# Altium PCB LimeSDR-X3_1v2.PcbDoc (part 6 of 25) (continued)
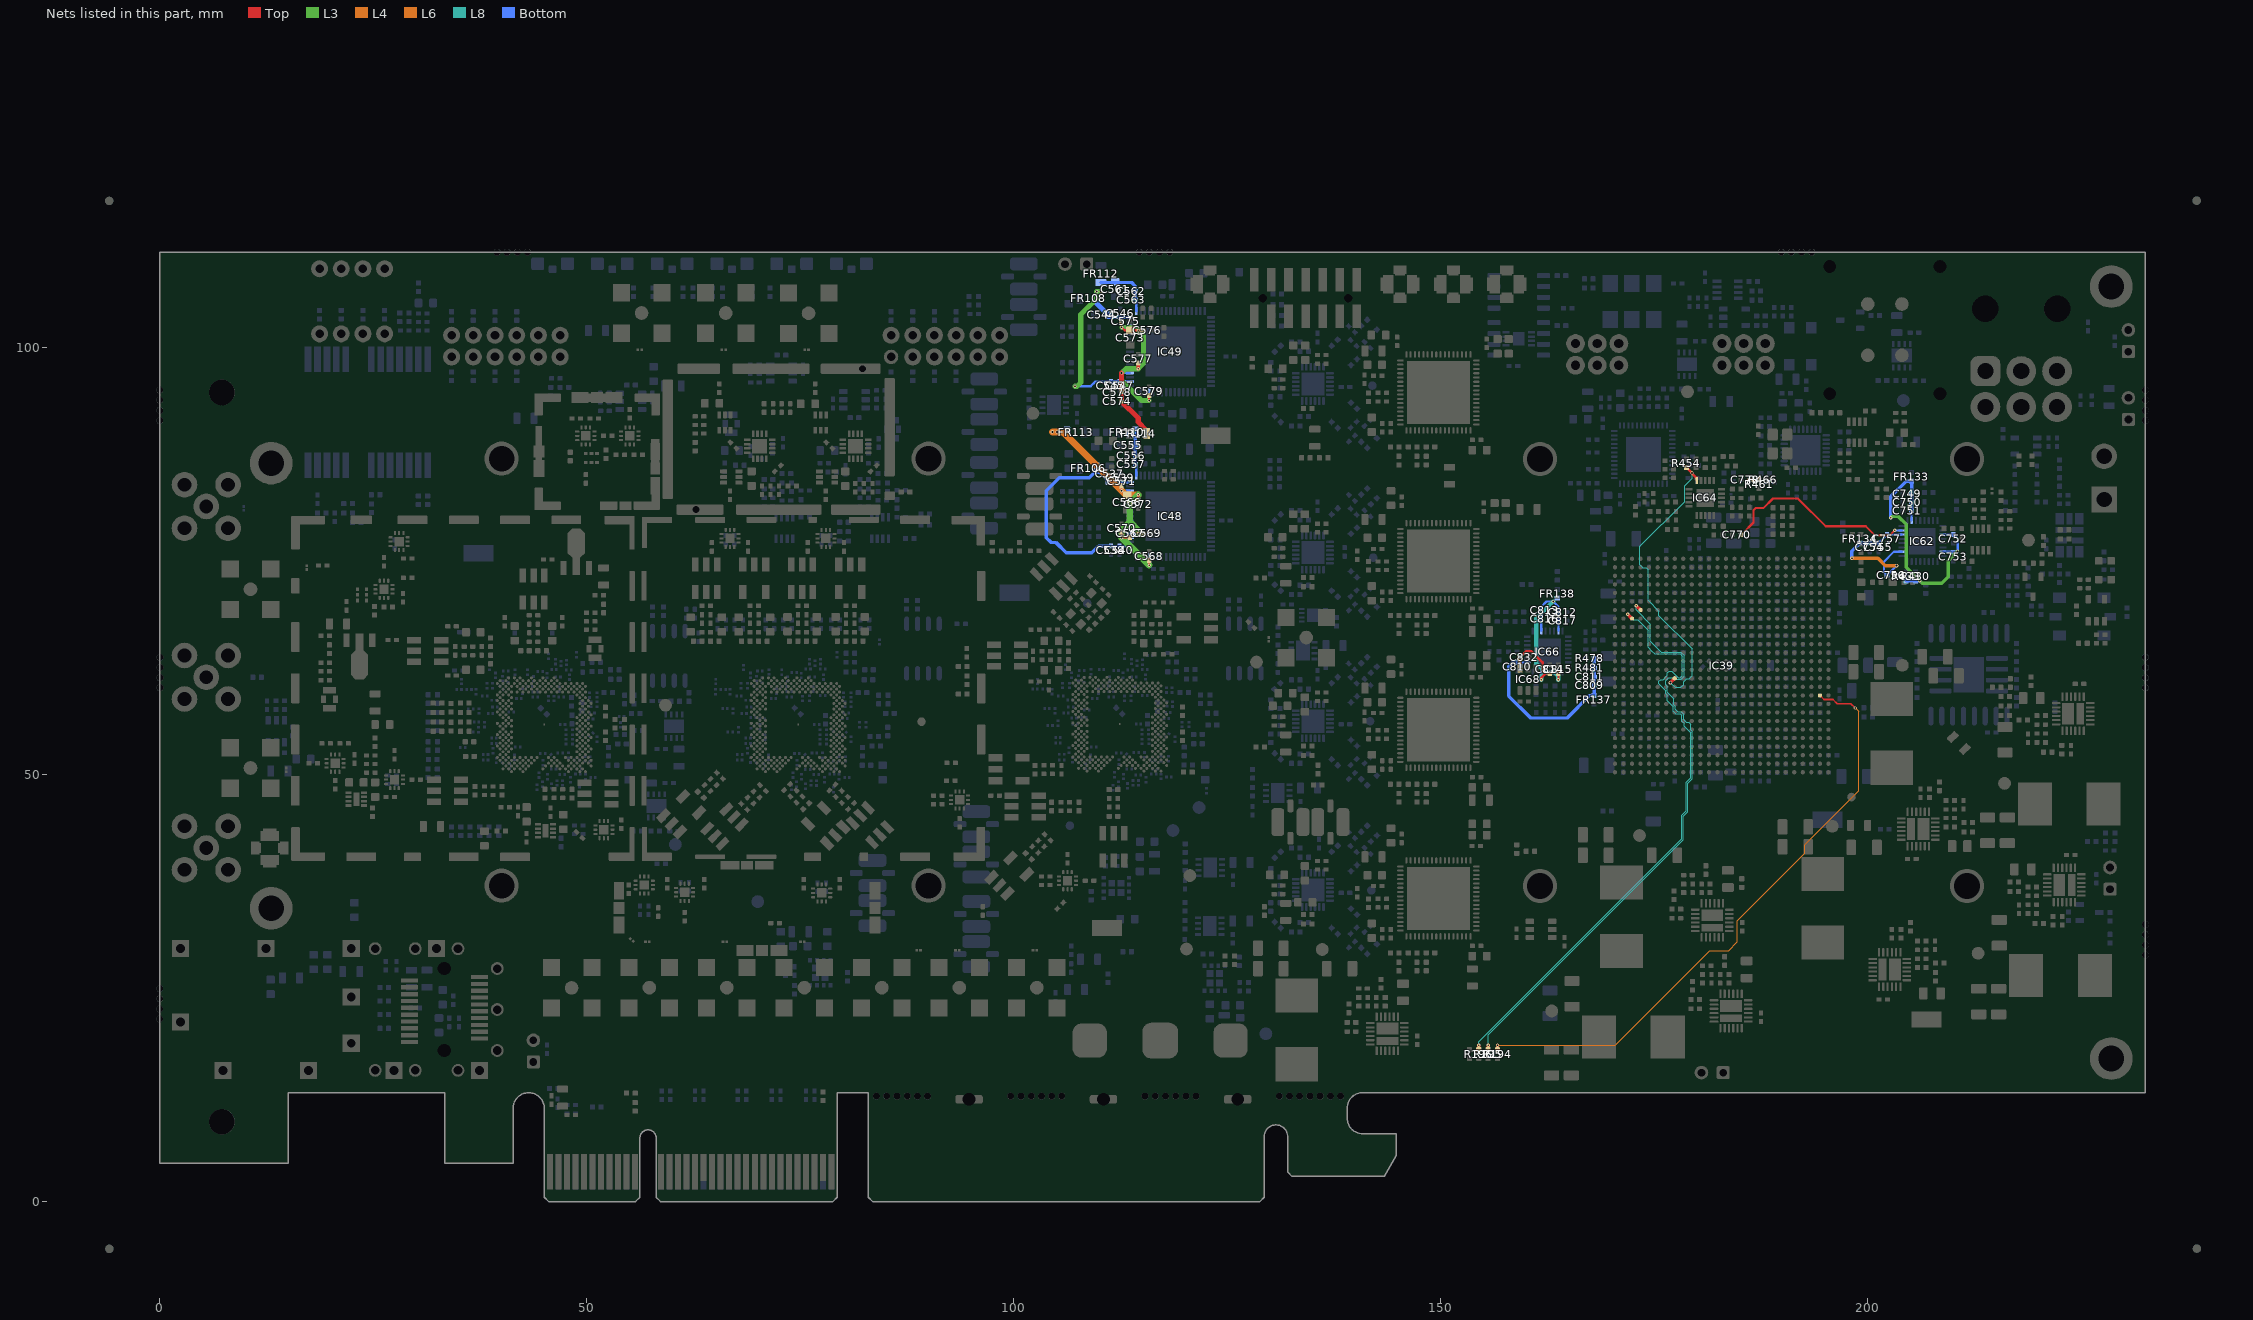
[diagram p16: the nets of this part, all layers, seen from the top]
## Part data (continued)
L6 L8: library part Inductor, DC Resistance (DCR)="170 mOhm Max", Manufacturer="Pulse Electronics Network", Manufacturer Part Number 1=PE-0603CD180KTT, Operating Temperature="-40°C ~ 125°C", Package / Case="0603 (1608 Metric)", Q @ Freq="35 @ 180MHz", Ratings=-, Supplier Part Number 1=1840-1105-1-ND, Tolerance=±10%, Category="Inductors, Coils, Chokes", ComponentLink1Description=http://productfinder.pulseeng.com/products/datasheets/WC701.pdf, ComponentLink1URL=http://productfinder.pulseeng.com/products/datasheets/WC701.pdf, Height - Seated (Max)="0.040\" (1.02mm)", Material - Core=Ceramic, Mounting Type="Surface Mount", Packaging="Cut Tape (CT)", Part Description="18nH Unshielded Wirewound Inductor 700mA 170 mOhm Max 0603 (1608 Metric)", Part Status=Active, Pricing 1="1=0.41, 10=0.368, 100=0.253, 500=0.2162, 1000=0.1656 (USD)", RoHS="RoHS Compliant", Shielding=Unshielded, Size / Dimension="0.071\" L x 0.049\" W (1.80mm x 1.24mm)", Stock 1=14000, Supplier 1=Digi-Key, Supplier Device Package="0603 (1608 Metric)", Type=Wirewound
L9: library part Inductor_0603, DC Current Rating=420, DC Resistance Max=0.58, High Frequency Inductor Case="0402 [1005 Metric]", Inductance=47, Inductance Tolerance="± 5%", Inductor Construction=Wirewound, Manufacturer=COILCRAFT, Manufacturer Part Number=0402HP-47NXJLU, Self Resonant Frequency Min=2.4, Supplier Part Number 1=2285856, Inductor Case Style="0402 [1005 Metric]", Manufacturer Part Number 1=0402HP-47NXJLU, Packaging="Cut Tape", Part Description="INDUCTOR, RF, 47NH, 5%, 2.4GHZ, SMD; Product Range:0402HP Series; Inductance:47nH; Inductance Tolerance:± 5%; High Frequency Inductor Case:0402 [1005 Metric]; Self Resonant Frequency Min:2.4GHz; DC Resistance Max:0.58ohm; DC Current Rating:420mA", Product Range=0402, RoHS=Y-EX, Supplier 1=Farnell, SVHC="No SVHC (15-Jun-2015)"
L10 L11 L12: library part Inductor_0603, Current - Saturation=24A, Current Rating=18A, DC Resistance (DCR)="5.78 mOhm Max", Frequency - Self Resonant=42MHz, Frequency - Test=100kHz, Manufacturer="Vishay Dale", Manufacturer Part Number 1=IHLP3232DZER1R0M01, Operating Temperature="-55°C ~ 125°C", Package / Case=Nonstandard, Q @ Freq=-, Supplier Part Number 1=541-1371-6-ND, Tolerance=±20%, Category="Inductors, Coils, Chokes", Height - Seated (Max)="0.158\" (4.00mm)", Inductance=1µH, Material - Core=-, Mounting Type="Surface Mount", Packaging=Digi-Reel®, Part Description="1µH Shielded Molded Inductor 18A 5.78 mOhm Max Nonstandard", RoHS="RoHS Compliant", Shielding=Shielded, Size / Dimension="0.340\" L x 0.322\" W (8.64mm x 8.18mm)", Supplier 1=Digi-Key, Supplier Device Package=-, Type=Molded
L13: library part Inductor_0603, Current - Saturation=27.5A, Current Rating=15A, DC Resistance (DCR)="5.8 mOhm Max", Frequency - Self Resonant=-, Frequency - Test=100kHz, Inductance=1.5µH, Manufacturer="Vishay Dale", Manufacturer Part Number 1=IHLP4040DZER1R5M01, Operating Temperature="-55°C ~ 125°C", Package / Case=Nonstandard, Supplier Part Number 1=541-1301-6-ND, Tolerance=±20%, Category="Inductors, Coils, Chokes", Height - Seated (Max)="0.158\" (4.00mm)", Material - Core=-, Mounting Type="Surface Mount", Packaging=Digi-Reel®, Part Description="FIXED IND 1.5UH 15A 5.8 MOHM SMD", Q @ Freq=-, RoHS="RoHS Compliant", Shielding=Shielded, Size / Dimension="0.430\" L x 0.405\" W (10.92mm x 10.30mm)", Supplier 1=Digi-Key, Supplier Device Package=-, Type=Molded
L14 L15: library part Inductor_0603, Current - Saturation=25.6A, Current Rating=12A, DC Resistance (DCR)="9 mOhm Max", Frequency - Self Resonant=-, Frequency - Test=100kHz, Manufacturer="Vishay Dale", Manufacturer Part Number 1=IHLP4040DZER2R2M01, Operating Temperature="-55°C ~ 125°C", Package / Case=Nonstandard, Supplier Part Number 1=541-1299-1-ND, Tolerance=±20%, Category="Inductors, Coils, Chokes", Height - Seated (Max)="0.158\" (4.00mm)", Inductance=2.2µH, Material - Core=-, Mounting Type="Surface Mount", Packaging="Cut Tape (CT)", Part Description="2.2µH Shielded Molded Inductor 12A 9 mOhm Max Nonstandard", Q @ Freq=-, RoHS="RoHS Compliant", Shielding=Shielded, Size / Dimension="0.430\" L x 0.405\" W (10.92mm x 10.30mm)", Supplier 1=Digi-Key, Supplier Device Package=-, Type=Molded
L16: library part Inductor_0603, Current - Saturation=18.6A, Current Rating=10A, DC Resistance (DCR)="14.4 mOhm Max", Frequency - Self Resonant=-, Frequency - Test=100kHz, Manufacturer="Vishay Dale", Manufacturer Part Number 1=IHLP4040DZER3R3M01, Operating Temperature="-55°C ~ 125°C", Package / Case=Nonstandard, Supplier Part Number 1=541-1298-1-ND, Tolerance=±20%, Category="Inductors, Coils, Chokes", Height - Seated (Max)="0.158\" (4.00mm)", Inductance=3.3µH, Material - Core=-, Mounting Type="Surface Mount", Packaging="Cut Tape (CT)", Part Description="3.3µH Shielded Molded Inductor 10A 14.4 mOhm Max Nonstandard", Q @ Freq=-, RoHS="RoHS Compliant", Shielding=Shielded, Size / Dimension="0.430\" L x 0.405\" W (10.92mm x 10.30mm)", Supplier 1=Digi-Key, Supplier Device Package=-, Type=Molded
LED1 LED2 LED3 LED4 LED5 LED6: library part LED_green_red_right_angle_v2, Case/Package=SMD/SMT, Color=Green,Red, Forward Current=25mA, Forward Voltage=1.7V, Lens Color=White, Manufacturer="Stanley Electric", Manufacturer Part Number 1=BRPY1211FTR, Max Operating Temperature=85°C, Min Operating Temperature=-40°C, Package Quantity=3000, Power Dissipation=70mW, Reverse Breakdown Voltage=4V, Supplier Part Number 1=BRPY1211F-TR, Test Current=20mA, ComponentLink1Description=https://datasheet.ciiva.com/2114/1211f-e-2114386.pdf?src-supplier=Digi-Key, ComponentLink1URL=https://datasheet.ciiva.com/2114/1211f-e-2114386.pdf?src-supplier=Digi-Key, Depth=2mm, Dominant Wavelength=647nm, Height=1.15mm, Lead Free="Lead Free", Length=3mm, Lens Style=Colorless, Lens Transparency=Diffused, Luminous Intensity=17.6mcd, Mount="Surface Mount", Number of Elements=2, Number of Pins=3, Packaging="Tape and Reel", Part Description="Green, Red 572nm Green, 647nm Red LED Indication - Discrete 2.1V Green, 1.7V Red 2-SMD, No Lead", Radiation Hardening=No, Reverse Voltage=4V, RoHS=Yes, Stock 1=0, Supplier 1="Arrow Electronics", Viewing Angle=143°, Wavelength=570nm, Width=2mm
MECH15 MECH16 MECH17 MECH18: library part "STANDOFF_M-F_THREADED_M3x8x10mm_HEX_5mm dia", "STANDOFF M/F MET 5MM HEX 10MM L", Colour=natural, Manufacturer=FIX&FASTEN, Manufacturer Part Number 1=FIX-MAE-5TV, Assembly Info=NF, Category="Plastic Pegs", Internal thread=M3, Material=polyamide, MinAmount=10, Multiples=10, Panel cutout diameter=3mm, Part Description="PCB distance; polyamide; L:5mm; Colour: natural; Øcutout:3mm", Price Type=NET, Spacer length=5mm, Spanner size=5.5mm, SuppliedAmount=1000, Supplier 1=TME, Supplier Part Number 1=FIX-MAE-5TV, Thread pitch=0,5, Type of spacer="PCB distance", Unit=pcs, Weight=0.145
MECH19: library part SFPx1_Chassis, Manufacturer="TE Connectivity AMP", Supplier Part Number 1=A120616-ND, ComponentLink1Description=https://datasheet.ciiva.com/45236/eng-cd-2227302-1-45236428.pdf?src-supplier=Avnet, ComponentLink1URL=https://datasheet.ciiva.com/45236/eng-cd-2227302-1-45236428.pdf?src-supplier=Avnet, Data Rate=4Gbps, ELV=Compliant, Length=14.5mm, Manufacturer Part Number 1=2227302-1, Mount="Through Hole", Number of Ports=1, Packaging=Tray, Part Description="- Position SFP Cage Connector Press-Fit Through Hole, Right Angle", PCB Thickness=0.059inch, Pricing 1="1=1,43000, 10=1,26100, 25=1,18720, 40=1,13750, 192=1,08813, 384=0,98922, 576=0,89030, 960=0,79138, 2496=0,71718 (USD)", RoHS=Yes, RoHS Compliant=Yes, Stock 1=16113, Supplier 1=Digi-Key, Tail Length=3mm, Termination=Press-Fit
MECH30 MECH32: library part PIC-S-208F_RF_SHIELD_FRAME, Manufacturer="3G Shielding Specialties LP", Supplier Part Number 1=2276-PIC-S-208FTR-ND, Manufacturer Part Number 1=PIC-S-208F, Part Description="RF Shield Frame 1.559\" (39.60mm) X 1.559\" (39.60mm) Solder", Supplier 1=Digi-Key
MECH31 MECH33: library part PIC-S-208C_RF_SHIELD_COVER, Manufacturer="3G Shielding Specialties LP", Supplier Part Number 1=2276-PIC-S-208C-ND, Manufacturer Part Number 1=PIC-S-208C, Part Description="RF Shield Cover 1.559\" (39.60mm) X 1.559\" (39.60mm) Vent Holes in Pattern Snap Fit", Supplier 1=Digi-Key
MECH34 MECH39 MECH40 MECH41 MECH42 MECH43 MECH44 MECH45: library part RFI_SHIELD_CLIP, Manufacturer=HARWIN, Manufacturer Part Number 1=S0971-46R, Supplier Part Number 1=2361677, Clip Diameter=-, Clip Type="RFI Shield Clip", Length=5.8, Mounting Hole Dia=-, Part Description="RFI SHIELD CLIP MINI TIN SMD", Product Range=-, RoHS=YES, Supplier=Farnell, Supplier 1=Farnell, SVHC="No SVHC (15-Jun-2015)"
MECH35: library part BMI-S-101_RF_SHIELD, Manufacturer=Laird, Supplier Part Number 1=903-1006-1-ND, ComponentLink1Description=http://assets.lairdtech.com/home/brandworld/files/EMI-CAT-Essentials%201213.pdf?src-supplier=Digikey, ComponentLink1URL=http://assets.lairdtech.com/home/brandworld/files/EMI-CAT-Essentials%201213.pdf?src-supplier=Digikey, ComponentLink2Description=http://assets.lairdtech.com/home/brandworld/files/Board%20Level%20Shields%20Catalog%20Download.pdf?src-supplier=Digikey, ComponentLink2URL=http://assets.lairdtech.com/home/brandworld/files/Board%20Level%20Shields%20Catalog%20Download.pdf?src-supplier=Digikey, ComponentLink3Description=https://datasheet.octopart.com/BMI-S-101-Laird-datasheet-150754577.pdf?src-supplier=Sager+Electronics, ComponentLink3URL=https://datasheet.octopart.com/BMI-S-101-Laird-datasheet-150754577.pdf?src-supplier=Sager+Electronics, Manufacturer Part Number 1=BMI-S-101, Part Description="RF Shield Shield, 1-Piece 0.512\" (13.00mm) X 0.538\" (13.66mm) Vent Holes in Pattern Surface Mount", Pricing 1="1=2,45, 10=1,535, 25=1,2968, 100=1,0281, 250=0,89596, 500=0,8147 (USD)", RoHS=Yes, Stock 1=1005, Supplier 1=Digikey
MECH36: library part MS263-10F_RF_SHIELD_FRAME, Manufacturer="Masach Tech", Supplier Part Number 1=2333-MS263-10F-ND, ComponentLink1Description=https://www.masach.com/downloadable/download/sample/sample_id/1476/?src-supplier=Digikey, ComponentLink1URL=https://www.masach.com/downloadable/download/sample/sample_id/1476/?src-supplier=Digikey, Manufacturer Part Number 1=MS263-10F, Part Description="RF Shield Cover 0.685\" (17.40mm) X 1.059\" (26.90mm) Vent Holes in Pattern Snap Fit", Pricing 1="1=2,17, 10=1,356, 64=0,96984, 128=0,86656, 256=0,78012, 448=0,72065, 960=0,6522, 2432=0,58491, 4928=0,55 (USD)", RoHS=No, Stock 1=1221, Supplier 1=Digikey
MECH37: library part MS263-10CP_RF_SHIELD_COVER, Manufacturer="Masach Tech", Supplier Part Number 1=2333-MS263-10CP-ND, ComponentLink1Description=https://www.masach.com/downloadable/download/sample/sample_id/1476/?src-supplier=Digikey, ComponentLink1URL=https://www.masach.com/downloadable/download/sample/sample_id/1476/?src-supplier=Digikey, Manufacturer Part Number 1=MS263-10CP, Mount=Solder, Part Description="RF Shield Cover 0.685\" (17.40mm) X 1.059\" (26.90mm) Vent Holes in Pattern Snap Fit", Pricing 1="1=1,85, 10=1,147, 64=0,81422, 128=0,72523, 256=0,65063, 448=0,59931, 960=0,54024, 2432=0,48217, 4928=0,44641 (USD)", RoHS=No, Series="Drawn-Seamless EMI/RFI Shield", Stock 1=374, Supplier 1=Digikey
MECH38: library part S03-30100300R_RF_SHIELD, Manufacturer=Harwin, Supplier Part Number 1=952-S03-30100300RCT-ND, Manufacturer Part Number 1=S03-30100300R, Mount="Surface Mount", Part Description="RF Shield CAN 0.394\" (10.00mm) X 1.181\" (30.00mm) Non-Vented Surface Mount", Pricing 1="1=2,15, 10=1,344, 25=1,1328, 100=0,8933, 250=0,77572 (USD)", RoHS=No, Series="EZ BoardWare", Stock 1=1392, Supplier 1=Digikey
MN1 MN2 MN3 MN4 MN49 MN50 MN51 MN52 MN73 MN74 MN75 MN76: library part Inductor_0603, Manufacturer="Panasonic Electronic Components", Manufacturer Part Number=ERJ-3GEY0R00V, Operating Temperature="-55°C ~ 155°C", Package / Case="0603 (1608 Metric)", Power (Watts)="0.1W, 1/10W", Supplier Device Package=0603, Supplier Part Number 1=P0.0GCT-ND, Temperature Coefficient=-, Tolerance=Jumper, Category=Resistors, ComponentLink1Description=http://industrial.panasonic.com/www-cgi/jvcr13pz.cgi?E+PZ+3+AOA0001+ERJ3GEY0R00V+7+WW, ComponentLink1URL=http://industrial.panasonic.com/www-cgi/jvcr13pz.cgi?E+PZ+3+AOA0001+ERJ3GEY0R00V+7+WW, Composition="Thick Film", Failure Rate=-, Features="Automotive AEC-Q200", Height - Seated (Max)="0.022\" (0.55mm)", Manufacturer Part Number 1=ERJ-3GEY0R00V, Packaging="Cut Tape (CT)", Part Description="0 Ohms Jumper 0.1W, 1/10W Chip Resistor 0603 (1608 Metric) Automotive AEC-Q200 Thick Film", Part Status=Active, Pricing 1="1=0.1, 10=0.04, 25=0.0292, 50=0.0222, 100=0.0164, 250=0.01252, 500=0.01002, 1000=0.00737 (USD)", RoHS="RoHS Compliant", Size / Dimension="0.063\" L x 0.032\" W (1.60mm x 0.80mm)", Stock 1=31663129, Supplier 1=Digi-Key
MN5 MN6 MN7 MN8 MN35 MN37: library part Inductor_0603, DC Current Rating=1.5, DC Resistance Max=0.065, High Frequency Inductor Case="0402 [1005 Metric]", Inductance=8.2, Inductance Tolerance="± 5%", Inductor Case Style="0402 [1005 Metric]<!--FANDB--><div class=\"features-and-benefits-container\"></div>", Inductor Construction=Wirewound, Manufacturer=COILCRAFT, Manufacturer Part Number 1=0402HP-8N2XJLU, Self Resonant Frequency Min=5.4, Supplier Part Number 1=2285826, Packaging="Cut Tape", Part Description="INDUCTOR, RF, 8.2NH, 5%, 5.4GHZ, SMD; Product Range:0402HP Series; Inductance:8.2nH; Inductance Tolerance:± 5%; High Frequency Inductor Case:0402 [1005 Metric]; Self Resonant Frequency Min:5.4GHz; DC Resistance Max:0.065ohm; DC Current Rating:1.5A", Product Range="COILCRAFT - 0402", RoHS=Y-EX, Supplier 1=Farnell, SVHC="No SVHC (16-Jun-2014)"
  MN35 MN37: Assembly Info=NF
MN9 MN10 MN15 MN16 MN108 MN110: library part Cap_0402, Capacitance=0.80pF, Manufacturer="Murata Electronics North America", Manufacturer Part Number=GRM1555C1HR80BA01D, Operating Temperature="-55°C ~ 125°C", Package / Case="0402 (1005 Metric)", Ratings=-, Supplier Part Number 1=490-6269-1-ND, Temperature Coefficient="C0G, NP0", Tolerance=±0.1pF, Voltage - Rated=50V, Applications="General Purpose", Category=Capacitors, Features=-, Height - Seated (Max)=-, Lead Spacing=-, Lead Style=-, Manufacturer Part Number 1=GRM1555C1HR80BA01D, Mounting Type="Surface Mount, MLCC", Packaging="Cut Tape (CT)", Part Description="0.80pF ±0.1pF 50V C0G, NP0 Ceramic Capacitor -55°C ~ 125°C Surface Mount, MLCC 0402 (1005 Metric) 0.039\" L x 0.020\" W (1.00mm x 0.50mm)", RoHS="RoHS Compliant", Size / Dimension="0.039\" L x 0.020\" W (1.00mm x 0.50mm)", Supplier 1=Digi-Key, Thickness (Max)="0.022\" (0.55mm)"
MN11 MN13 MN45 MN46: library part Cap_0402, Manufacturer="TDK Corporation", Manufacturer Part Number 1=C1005C0G1H010B050BA, Operating Temperature="-55°C ~ 125°C", Package / Case="0402 (1005 Metric)", Ratings=-, Supplier Part Number 1=445-4854-6-ND, Temperature Coefficient="C0G, NP0", Tolerance=±0.1pF, Voltage - Rated=50V, Applications="General Purpose", Capacitance=1pF, Category=Capacitors, Features=-, Height - Seated (Max)=-, Lead Spacing=-, Lead Style=-, Mounting Type="Surface Mount, MLCC", Packaging=Digi-Reel®, Part Description="1pF ±0.1pF 50V C0G, NP0 Ceramic Capacitor -55°C ~ 125°C Surface Mount, MLCC 0402 (1005 Metric) 0.039\" L x 0.020\" W (1.00mm x 0.50mm)", RoHS="RoHS Compliant", Size / Dimension="0.039\" L x 0.020\" W (1.00mm x 0.50mm)", Supplier 1=Digi-Key, Thickness (Max)="0.022\" (0.55mm)"
  MN11 MN13: Assembly Info=NF
MN12 MN14 MN27 MN29 MN43 MN44 MN60 MN62 MN84 MN85 MN94: library part Cap_0402, Capacitance=0.50pF, Manufacturer=Yageo, Manufacturer Part Number 1=CC0402CRNPO9BNR50, Operating Temperature="-55°C ~ 125°C", Package / Case="0402 (1005 Metric)", Ratings=-, Supplier Part Number 1=311-1001-1-ND, Temperature Coefficient="C0G, NP0", Tolerance=±0.25pF, Voltage - Rated=50V, Applications="General Purpose", Category=Capacitors, Features=-, Height - Seated (Max)=-, Lead Spacing=-, Lead Style=-, Mounting Type="Surface Mount, MLCC", Packaging="Cut Tape (CT)", Part Description="0.50pF ±0.25pF 50V C0G, NP0 Ceramic Capacitor -55°C ~ 125°C Surface Mount, MLCC 0402 (1005 Metric) 0.039\" L x 0.020\" W (1.00mm x 0.50mm)", RoHS="RoHS Compliant", Size / Dimension="0.039\" L x 0.020\" W (1.00mm x 0.50mm)", Supplier 1=Digi-Key, Thickness (Max)="0.022\" (0.55mm)"
  MN27 MN29 MN43 MN44 MN94: Assembly Info=NF
MN17 MN18 MN19 MN20 MN89 MN90: library part Inductor_0603, DC Resistance (DCR)="5.5 Ohm", Manufacturer="TDK Corporation", Manufacturer Part Number=GLFR1608T101M-LR, Operating Temperature="-40°C ~ 105°C", Package / Case="0603 (1608 Metric)", Q @ Freq=-, Supplier Part Number 1=445-6150-6-ND, Tolerance=±20%, Category="Inductors, Coils, Chokes", ComponentLink1Description=https://media.digikey.com/pdf/Data%20Sheets/TDK%20PDFs/GLFR%20Series.pdf, ComponentLink1URL=https://media.digikey.com/pdf/Data%20Sheets/TDK%20PDFs/GLFR%20Series.pdf, Height - Seated (Max)="0.039\" (1.00mm)", Manufacturer Part Number 1=GLFR1608T101M-LR, Material - Core=-, Mounting Type="Surface Mount", Packaging=Digi-Reel®, Part Description="100µH Shielded Wirewound Inductor 80mA 5.5 Ohm 0603 (1608 Metric)", Part Status=Active, Pricing 1="1=0.27, 10=0.244, 100=0.1676, 500=0.14324, 1000=0.10971 (USD)", Ratings=-, RoHS="RoHS Compliant", Shielding=Shielded, Size / Dimension="0.063\" L x 0.031\" W (1.60mm x 0.80mm)", Stock 1=127797, Supplier 1=Digi-Key, Supplier Device Package="0603 (1608 Metric)", Type=Wirewound
MN21 MN22 MN23 MN24 MN91 MN92: library part Inductor_0603, DC Current Rating=420, DC Resistance Max=0.58, High Frequency Inductor Case="0402 [1005 Metric]", Inductance=47, Inductance Tolerance="± 5%", Inductor Construction=Wirewound, Manufacturer=COILCRAFT, Manufacturer Part Number 1=0402HP-47NXJLU, Self Resonant Frequency Min=2.4, Supplier Part Number 1=2285856, Inductor Case Style="0402 [1005 Metric]", Packaging="Cut Tape", Part Description="INDUCTOR, RF, 47NH, 5%, 2.4GHZ, SMD; Product Range:0402HP Series; Inductance:47nH; Inductance Tolerance:± 5%; High Frequency Inductor Case:0402 [1005 Metric]; Self Resonant Frequency Min:2.4GHz; DC Resistance Max:0.58ohm; DC Current Rating:420mA", Product Range=0402, RoHS=Y-EX, Supplier 1=Farnell, SVHC="No SVHC (15-Jun-2015)"
MN28 MN30 MN41 MN42 MN47 MN48 MN95: library part Cap_0402, Capacitance=2, Capacitance Tolerance="± 0.1", Ceramic Capacitor Case="0402 [1005 Metric]", Dielectric Characteristic="C0G / NP0", Manufacturer=AVX, Manufacturer Part Number=04025U2R0BAT2A, Operating Temperature Max=125, Operating Temperature Min=-55, Supplier Part Number 1=2332536, Voltage Rating=50, Capacitance Tolerance ±="± 0.1", Manufacturer Part Number 1=04025U2R0BAT2A, MSL="MSL 1 - Unlimited", Packaging="Cut Tape", Part Description="2pF ±0.1pF 50V C0G, NP0 Ceramic Capacitor -55°C ~ 125°C Surface Mount, MLCC 0402 (1005 Metric) 0.039\" L x 0.020\" W (1.00mm x 0.50mm)", Product Range="U Series", RoHS=YES, Supplier 1=Farnell, SVHC="No SVHC (17-Dec-2014)"
MN33 MN34 MN39 MN40: library part Cap_0402, Manufacturer="Murata Electronics North America", Manufacturer Part Number 1=GRM1555C1H511JA01D, Operating Temperature="-55°C ~ 125°C", Package / Case="0402 (1005 Metric)", Ratings=-, Supplier Part Number 1=490-3237-1-ND, Temperature Coefficient="C0G, NP0", Tolerance=±5%, Voltage - Rated=50V, Applications="General Purpose", Capacitance=510pF, Category=Capacitors, Features=-, Height - Seated (Max)=-, Lead Spacing=-, Lead Style=-, Mounting Type="Surface Mount, MLCC", Packaging="Cut Tape (CT)", Part Description="510pF ±5% 50V C0G, NP0 Ceramic Capacitor -55°C ~ 125°C Surface Mount, MLCC 0402 (1005 Metric) 0.039\" L x 0.020\" W (1.00mm x 0.50mm)", RoHS="RoHS Compliant", Size / Dimension="0.039\" L x 0.020\" W (1.00mm x 0.50mm)", Supplier 1=Digi-Key, Thickness (Max)="0.022\" (0.55mm)"
MN36 MN38: library part Cap_0402, Manufacturer="Murata Electronics North America", Manufacturer Part Number 1=GRM1555C1H1R2CA01D, Operating Temperature="-55°C ~ 125°C", Package / Case="0402 (1005 Metric)", Ratings=-, Supplier Part Number 1=490-5927-1-ND, Temperature Coefficient="C0G, NP0", Tolerance=±0.25pF, Voltage - Rated=50V, Applications="General Purpose", Capacitance=1.2pF, Category=Capacitors, Features=-, Height - Seated (Max)=-, Lead Spacing=-, Lead Style=-, Mounting Type="Surface Mount, MLCC", Packaging="Cut Tape (CT)", Part Description="'1.2pF ±0.25pF 50V C0G, NP0 Ceramic Capacitor -55°C ~ 125°C Surface Mount, MLCC 0402 (1005 Metric) 0.039\" L x 0.020\" W (1.00mm x 0.50mm)", RoHS="RoHS Compliant", Size / Dimension="0.039\" L x 0.020\" W (1.00mm x 0.50mm)", Supplier 1=Digi-Key, Thickness (Max)="0.022\" (0.55mm)"
MN53 MN54 MN55 MN56 MN77 MN78 MN79 MN80: library part Inductor_0603, Case/Package=0402, Case Code (Metric)=1005, Current Rating=750mA, DC Resistance (DCR)=70mR, Inductance=4.7nH, Manufacturer=Murata, Manufacturer Part Number 1=LQW15AN4N7C00D, Max Operating Temperature=125°C, Min Operating Temperature=-55°C, Package Quantity=10000, Self Resonant Frequency=8GHz, Supplier Part Number 1=490-1139-1-ND, Test Frequency=100MHz, Case Code (Imperial)=0402, Core Material=Air, DC Current=750mA, Depth=0.7mm, Height=0.5mm, Lead Free="Lead Free", Length=1mm, Max DC Current=750mA, Military Standard=Not, Mount="Surface Mount", Number of Pins=2, Packaging="Tape and Reel", Part Description="4.7nH Unshielded Wirewound Inductor 750mA 70mOhm Max 0402 (1006 Metric)", Pricing 1="1=0,18000, 10=0,16300, 100=0,10870, 500=0,09058, 1000=0,07608, 2500=0,06522 (USD)", Q Factor=25, Radiation Hardening=No, REACH SVHC="No SVHC", RoHS=Yes, Shielding=Unshielded, Stock 1=48802, Supplier 1=Digi-Key, Termination=SMD/SMT, Weight=2.8E-05oz, Width=0.02inch
MN57 MN58 MN63 MN64 MN81 MN82 MN87 MN88: library part Cap_0402, Capacitance=0.4pF, Case/Package=0402, Case Code (Metric)=1005, Dielectric=C0G, Manufacturer=Murata, Manufacturer Part Number 1=GJM1555C1HR40WB01D, Max Operating Temperature=125°C, Min Operating Temperature=-55°C, Package Quantity=10000, Voltage Rating=50V, Case Code (Imperial)=0402, ComponentLink1Description=https://datasheet.ciiva.com/11621/product-11621841.pdf?src-supplier=Avnet, ComponentLink1URL=https://datasheet.ciiva.com/11621/product-11621841.pdf?src-supplier=Avnet, ComponentLink2Description=https://datasheet.ciiva.com/169/partnumbering-e-01-169682.pdf?src-supplier=Digi-Key, ComponentLink2URL=https://datasheet.ciiva.com/169/partnumbering-e-01-169682.pdf?src-supplier=Digi-Key, Construction=Flat, Depth=0.5mm, Height=0.5mm, Lead Free="Lead Free", Length=1mm, Mount="Surface Mount", Packaging="Tape and Reel", Part Description="0.4 pF ±0.05pF 50V Ceramic Capacitor C0G, NP0 0402 (1005 Metric)", Pricing 1="1=0,20210, 10=0,14340, 25=0,12680, 100=0,08350, 250=0,08280, 500=0,07340, 1000=0,07270, 3000=0,07200, 6000=0,04460 (USD)", Radiation Hardening=No, RoHS=Yes, RoHS Compliant=Yes, Series=GJM, Stock 1=12385, Supplier 1="Arrow Electronics", Supplier Part Number 1=GJM1555C1HR40WB01D, Termination=SMD/SMT, Thickness=0.022inch, Voltage Rating (DC)=50V, Width=0.02inch
MN59 MN61 MN83 MN86: library part Cap_0402, Case/Package=0402, Case Code (Metric)=1005, Current=370mA, Current Rating=500mA, DC Resistance (DCR)=170mR, Inductance=10nH, Inductance Tolerance=2%, Manufacturer=Murata, Manufacturer Part Number 1=LQW15AN10NG00D, Max Operating Temperature=125°C, Min Operating Temperature=-55°C, Package Quantity=10000, Resistor Type=Wirewound, Self Resonant Frequency=5.5GHz, Test Frequency=100MHz, Case Code (Imperial)=0402, ComponentLink1Description=https://datasheet.ciiva.com/11799/0900766b8090d800-11799107.pdf?src-supplier=RSComponents, ComponentLink1URL=https://datasheet.ciiva.com/11799/0900766b8090d800-11799107.pdf?src-supplier=RSComponents, ComponentLink2Description=https://datasheet.ciiva.com/6705/l0075s0080lqw15a-00-6705338.pdf?src-supplier=Digi-Key, ComponentLink2URL=https://datasheet.ciiva.com/6705/l0075s0080lqw15a-00-6705338.pdf?src-supplier=Digi-Key, ComponentLink3Description=https://datasheet.ciiva.com/6705/l0075s0080lqw15a-00-6705337.pdf?src-supplier=Digi-Key, ComponentLink3URL=https://datasheet.ciiva.com/6705/l0075s0080lqw15a-00-6705337.pdf?src-supplier=Digi-Key, ComponentLink4Description=https://datasheet.ciiva.com/6705/l0075s0080lqw15a-00-6705339.pdf?src-supplier=Digi-Key, ComponentLink4URL=https://datasheet.ciiva.com/6705/l0075s0080lqw15a-00-6705339.pdf?src-supplier=Digi-Key, ComponentLink5Description=https://datasheet.ciiva.com/4977/product-4977514.pdf?src-supplier=Mouser, ComponentLink5URL=https://datasheet.ciiva.com/4977/product-4977514.pdf?src-supplier=Mouser, ComponentLink6Description=https://datasheet.ciiva.com/8508/l0075s0080lqw15a-00-8508734.pdf?src-supplier=Avnet, ComponentLink6URL=https://datasheet.ciiva.com/8508/l0075s0080lqw15a-00-8508734.pdf?src-supplier=Avnet, ComponentLink7Description=https://datasheet.ciiva.com/25644/l0075s0080lqw15a-00-25644999.pdf?src-supplier=Future+Electronics, ComponentLink7URL=https://datasheet.ciiva.com/25644/l0075s0080lqw15a-00-25644999.pdf?src-supplier=Future+Electronics, Core Material=Non-Magnetic,Air,Ferrite, DC Current=500mA, Depth=0.7mm, Height=0.5mm, Height - Seated (Max)=0.024inch, Lead Free="Lead Free", Length=1mm, Max DC Current=500mA, Military Standard=Not, Mount="Surface Mount", Number of Pins=2, Packaging="Tape and Reel", Part Description="10 nH Unshielded Wirewound Inductor 500 mA 170mOhm Max 0402 (1005 Metric)", Pricing 1="10000=0,07910, 20000=0,05460 (USD)", Radiation Hardening=No, REACH SVHC="No SVHC", RoHS=Yes, RoHS Compliant=Yes, Shielding=Unshielded, Stock 1=20000, Supplier 1="Arrow Electronics", Supplier Part Number 1=LQW15AN10NG00D, Termination=SMD/SMT, Tolerance=2%, Weight=2.8E-05oz, Width=0.02inch
MN65 MN66 MN69 MN72 MN97 MN98 MN102 MN104: library part Cap_0402, Manufacturer=Johanson, Manufacturer Part Number 1=QSCF500Q0R3B1GV001T, Supplier Part Number 1=712-QSCF500Q0R3B1GV001TCT-ND, ComponentLink1Description=https://datasheet.ciiva.com/11617/product-11617574.pdf?src-supplier=Avnet, ComponentLink1URL=https://datasheet.ciiva.com/11617/product-11617574.pdf?src-supplier=Avnet, ComponentLink2Description=https://datasheet.ciiva.com/169/partnumbering-e-01-169995.pdf?src-supplier=Digi-Key, ComponentLink2URL=https://datasheet.ciiva.com/169/partnumbering-e-01-169995.pdf?src-supplier=Digi-Key, ComponentLink3Description=https://datasheet.ciiva.com/6263/grm1555c1hr10wa01-01-6263952.pdf?src-supplier=Digi-Key, ComponentLink3URL=https://datasheet.ciiva.com/6263/grm1555c1hr10wa01-01-6263952.pdf?src-supplier=Digi-Key, ComponentLink4Description=https://datasheet.ciiva.com/6263/partnumbering-e-01-6263949.pdf?src-supplier=Digi-Key, ComponentLink4URL=https://datasheet.ciiva.com/6263/partnumbering-e-01-6263949.pdf?src-supplier=Digi-Key, ComponentLink5Description=https://datasheet.ciiva.com/6263/partnumbering-e-01-6263947.pdf?src-supplier=Digi-Key, ComponentLink5URL=https://datasheet.ciiva.com/6263/partnumbering-e-01-6263947.pdf?src-supplier=Digi-Key, ComponentLink6Description=https://datasheet.ciiva.com/5414/product-5414742.pdf?src-supplier=Mouser, ComponentLink6URL=https://datasheet.ciiva.com/5414/product-5414742.pdf?src-supplier=Mouser, ComponentLink7Description=https://datasheet.ciiva.com/11618/product-11618981.pdf?src-supplier=Avnet, ComponentLink7URL=https://datasheet.ciiva.com/11618/product-11618981.pdf?src-supplier=Avnet, Part Description="0.3 pF ±0.1pF 50V Ceramic Capacitor C0G, NP0 0402 (1005 Metric)", Pricing 1="1=0,13, 10=0,093, 50=0,053, 100=0,0439, 500=0,0308, 1000=0,0255, 2500=0,02374, 5000=0,02172 (USD)", RoHS=Yes, RoHS Compliant=Yes, Stock 1=139276, Supplier 1=DigiKey
MN67 MN70 MN99 MN101: library part Inductor_0603, Case/Package=0402, Case Code (Metric)=1005, Current Rating=300mA, DC Resistance (DCR)=800mR, Inductance=30nH, Manufacturer=TDK, Manufacturer Part Number 1=MLG1005S30NJT000, Max Operating Temperature=125°C, Min Operating Temperature=-55°C, Package Quantity=10000, Self Resonant Frequency=1.5GHz, Supplier Part Number 1=445-6312-1-ND, Test Frequency=100MHz, Tolerance=5%, Case Code (Imperial)=0402, ComponentLink1Description=https://datasheet.ciiva.com/11801/0900766b8090d800-11801389.pdf?src-supplier=RSComponents, ComponentLink1URL=https://datasheet.ciiva.com/11801/0900766b8090d800-11801389.pdf?src-supplier=RSComponents, ComponentLink2Description=https://datasheet.ciiva.com/17278/l0075s0080lqw15a-00-17278445.pdf?src-supplier=Avnet+Europe, ComponentLink2URL=https://datasheet.ciiva.com/17278/l0075s0080lqw15a-00-17278445.pdf?src-supplier=Avnet+Europe, ComponentLink3Description=https://datasheet.ciiva.com/16455/l0075s0080lqw15a-00-16455931.pdf?src-supplier=Future+Electronics, ComponentLink3URL=https://datasheet.ciiva.com/16455/l0075s0080lqw15a-00-16455931.pdf?src-supplier=Future+Electronics, ComponentLink4Description=https://datasheet.ciiva.com/11799/0900766b8090d800-11799107.pdf?src-supplier=RSComponents, ComponentLink4URL=https://datasheet.ciiva.com/11799/0900766b8090d800-11799107.pdf?src-supplier=RSComponents, ComponentLink5Description=https://datasheet.ciiva.com/6705/l0075s0080lqw15a-00-6705338.pdf?src-supplier=Digi-Key, ComponentLink5URL=https://datasheet.ciiva.com/6705/l0075s0080lqw15a-00-6705338.pdf?src-supplier=Digi-Key, ComponentLink6Description=https://datasheet.ciiva.com/6705/l0075s0080lqw15a-00-6705337.pdf?src-supplier=Digi-Key, ComponentLink6URL=https://datasheet.ciiva.com/6705/l0075s0080lqw15a-00-6705337.pdf?src-supplier=Digi-Key, ComponentLink7Description=https://datasheet.ciiva.com/6705/l0075s0080lqw15a-00-6705339.pdf?src-supplier=Digi-Key, ComponentLink7URL=https://datasheet.ciiva.com/6705/l0075s0080lqw15a-00-6705339.pdf?src-supplier=Digi-Key, ComponentLink8Description=https://datasheet.ciiva.com/4977/product-4977514.pdf?src-supplier=Mouser, ComponentLink8URL=https://datasheet.ciiva.com/4977/product-4977514.pdf?src-supplier=Mouser, ComponentLink9Description=https://datasheet.ciiva.com/8508/l0075s0080lqw15a-00-8508734.pdf?src-supplier=Avnet, ComponentLink9URL=https://datasheet.ciiva.com/8508/l0075s0080lqw15a-00-8508734.pdf?src-supplier=Avnet, ComponentLink10Description=https://datasheet.ciiva.com/25644/l0075s0080lqw15a-00-25644999.pdf?src-supplier=Future+Electronics, ComponentLink10URL=https://datasheet.ciiva.com/25644/l0075s0080lqw15a-00-25644999.pdf?src-supplier=Future+Electronics, ComponentLink11Description=https://datasheet.ciiva.com/29696/inductor-commercial-high-frequency-mlg-en-29696712.pdf?src-supplier=Digi-Key, ComponentLink11URL=https://datasheet.ciiva.com/29696/inductor-commercial-high-frequency-mlg-en-29696712.pdf?src-supplier=Digi-Key, ComponentLink12Description=https://datasheet.ciiva.com/29696/inductor-commercial-high-frequency-mlg-en-29696711.pdf?src-supplier=Digi-Key, ComponentLink12URL=https://datasheet.ciiva.com/29696/inductor-commercial-high-frequency-mlg-en-29696711.pdf?src-supplier=Digi-Key, ComponentLink13Description=https://datasheet.ciiva.com/29696/inductor-commercial-high-frequency-mlg-en-29696710.pdf?src-supplier=Digi-Key, ComponentLink13URL=https://datasheet.ciiva.com/29696/inductor-commercial-high-frequency-mlg-en-29696710.pdf?src-supplier=Digi-Key, Core Material=Non-Magnetic, Height - Seated (Max)=0.022inch, Length=0.039inch, Mount="Surface Mount", Packaging="Cut Tape", Part Description="30 nH Unshielded Multilayer Inductor 300 mA 800mOhm Max 0402 (1005 Metric)", Pricing 1="1=0,13, 10=0,115, 25=0,1024, 50=0,0868, 100=0,0767, 250=0,07028, 500=0,06388, 1000=0,05366, 2500=0,046 (USD)", RoHS=Yes, RoHS Compliant=Yes, Series=MLG, Shielding=Unshielded, Stock 1=41662, Supplier 1=Digi-Key, Width=0.02inch
MN68 MN71 MN100 MN103: library part Inductor_0603, Case/Package=0402, Case Code (Metric)=1005, Current Rating=400mA, DC Resistance (DCR)=500mR, Inductance=13nH, Manufacturer=TDK, Manufacturer Part Number 1=MLG1005S13NJT000, Max Operating Temperature=125°C, Min Operating Temperature=-55°C, Package Quantity=1, Self Resonant Frequency=2.4GHz, Supplier Part Number 1=445-6308-1-ND, Test Frequency=100MHz, Tolerance=5%, Case Code (Imperial)=0402, ComponentLink1Description=https://datasheet.ciiva.com/11801/0900766b8090d800-11801389.pdf?src-supplier=RSComponents, ComponentLink1URL=https://datasheet.ciiva.com/11801/0900766b8090d800-11801389.pdf?src-supplier=RSComponents, ComponentLink2Description=https://datasheet.ciiva.com/17278/l0075s0080lqw15a-00-17278445.pdf?src-supplier=Avnet+Europe, ComponentLink2URL=https://datasheet.ciiva.com/17278/l0075s0080lqw15a-00-17278445.pdf?src-supplier=Avnet+Europe, ComponentLink3Description=https://datasheet.ciiva.com/16455/l0075s0080lqw15a-00-16455931.pdf?src-supplier=Future+Electronics, ComponentLink3URL=https://datasheet.ciiva.com/16455/l0075s0080lqw15a-00-16455931.pdf?src-supplier=Future+Electronics, ComponentLink4Description=https://datasheet.ciiva.com/11799/0900766b8090d800-11799519.pdf?src-supplier=RSComponents, ComponentLink4URL=https://datasheet.ciiva.com/11799/0900766b8090d800-11799519.pdf?src-supplier=RSComponents, ComponentLink5Description=https://datasheet.ciiva.com/6705/l0075s0080lqw15a-00-6705352.pdf?src-supplier=Digi-Key, ComponentLink5URL=https://datasheet.ciiva.com/6705/l0075s0080lqw15a-00-6705352.pdf?src-supplier=Digi-Key, ComponentLink6Description=https://datasheet.ciiva.com/4978/product-4978090.pdf?src-supplier=Mouser, ComponentLink6URL=https://datasheet.ciiva.com/4978/product-4978090.pdf?src-supplier=Mouser, ComponentLink7Description=https://datasheet.ciiva.com/17277/l0075s0080lqw15a-00-17277850.pdf?src-supplier=Avnet+Europe, ComponentLink7URL=https://datasheet.ciiva.com/17277/l0075s0080lqw15a-00-17277850.pdf?src-supplier=Avnet+Europe, ComponentLink8Description=https://datasheet.ciiva.com/6705/l0075s0080lqw15a-00-6705355.pdf?src-supplier=Digi-Key, ComponentLink8URL=https://datasheet.ciiva.com/6705/l0075s0080lqw15a-00-6705355.pdf?src-supplier=Digi-Key, ComponentLink9Description=https://datasheet.ciiva.com/6705/l0075s0080lqw15a-00-6705357.pdf?src-supplier=Digi-Key, ComponentLink9URL=https://datasheet.ciiva.com/6705/l0075s0080lqw15a-00-6705357.pdf?src-supplier=Digi-Key, ComponentLink10Description=https://datasheet.ciiva.com/11799/0900766b8090d5c4-11799120.pdf?src-supplier=RSComponents, ComponentLink10URL=https://datasheet.ciiva.com/11799/0900766b8090d5c4-11799120.pdf?src-supplier=RSComponents, ComponentLink11Description=https://datasheet.ciiva.com/6705/l0075s0080lqw15a-10-6705512.pdf?src-supplier=Digi-Key, ComponentLink11URL=https://datasheet.ciiva.com/6705/l0075s0080lqw15a-10-6705512.pdf?src-supplier=Digi-Key, ComponentLink12Description=https://datasheet.ciiva.com/6705/l0075s0080lqw15a-10-6705511.pdf?src-supplier=Digi-Key, ComponentLink12URL=https://datasheet.ciiva.com/6705/l0075s0080lqw15a-10-6705511.pdf?src-supplier=Digi-Key, ComponentLink13Description=https://datasheet.ciiva.com/6705/l0075s0080lqw15a-10-6705513.pdf?src-supplier=Digi-Key, ComponentLink13URL=https://datasheet.ciiva.com/6705/l0075s0080lqw15a-10-6705513.pdf?src-supplier=Digi-Key, ComponentLink14Description=https://datasheet.ciiva.com/4976/product-4976988.pdf?src-supplier=Mouser, ComponentLink14URL=https://datasheet.ciiva.com/4976/product-4976988.pdf?src-supplier=Mouser, ComponentLink15Description=https://datasheet.ciiva.com/8506/l0075s0080lqw15a-10-8506007.pdf?src-supplier=Avnet, ComponentLink15URL=https://datasheet.ciiva.com/8506/l0075s0080lqw15a-10-8506007.pdf?src-supplier=Avnet, ComponentLink16Description=https://datasheet.ciiva.com/16455/l0075s0080lqw15a-10-16455870.pdf?src-supplier=Future+Electronics, ComponentLink16URL=https://datasheet.ciiva.com/16455/l0075s0080lqw15a-10-16455870.pdf?src-supplier=Future+Electronics, ComponentLink17Description=https://datasheet.ciiva.com/29699/inductor-commercial-high-frequency-mlg-en-29699007.pdf?src-supplier=Digi-Key, ComponentLink17URL=https://datasheet.ciiva.com/29699/inductor-commercial-high-frequency-mlg-en-29699007.pdf?src-supplier=Digi-Key, ComponentLink18Description=https://datasheet.ciiva.com/29699/inductor-commercial-high-frequency-mlg-en-29699006.pdf?src-supplier=Digi-Key, ComponentLink18URL=https://datasheet.ciiva.com/29699/inductor-commercial-high-frequency-mlg-en-29699006.pdf?src-supplier=Digi-Key, Core Material=Non-Magnetic,Ceramic, Height - Seated (Max)=0.022inch, Length=0.039inch, Mount="Surface Mount", Packaging="Cut Tape", Part Description="13 nH Unshielded Multilayer Inductor 400 mA 500mOhm Max 0402 (1005 Metric)", Pricing 1="1=0,13, 10=0,115, 25=0,1024, 50=0,0868, 100=0,0767, 250=0,07028, 500=0,06388, 1000=0,05366, 2500=0,046 (USD)", RoHS=Yes, RoHS Compliant=Yes, Series=MLG, Shielding=Unshielded, Stock 1=21172, Supplier 1=Digi-Key, Width=0.02inch